# Altium PCB EmberNet Pod Layout.PcbDoc (part 2 of 2)
Units mm, origin at the board's own origin, x right, y up, seen from the top; angles counter-clockwise.
Board outline 78.51 x 78.51 mm, 4 copper layers (Top Layer, Ground, Signal Layer, Bottom Layer), stack 0.844 mm thick; 180 components, 92 nets, 487 pads, 299 vias.
Unrouted connection lines stored in the file: 74.
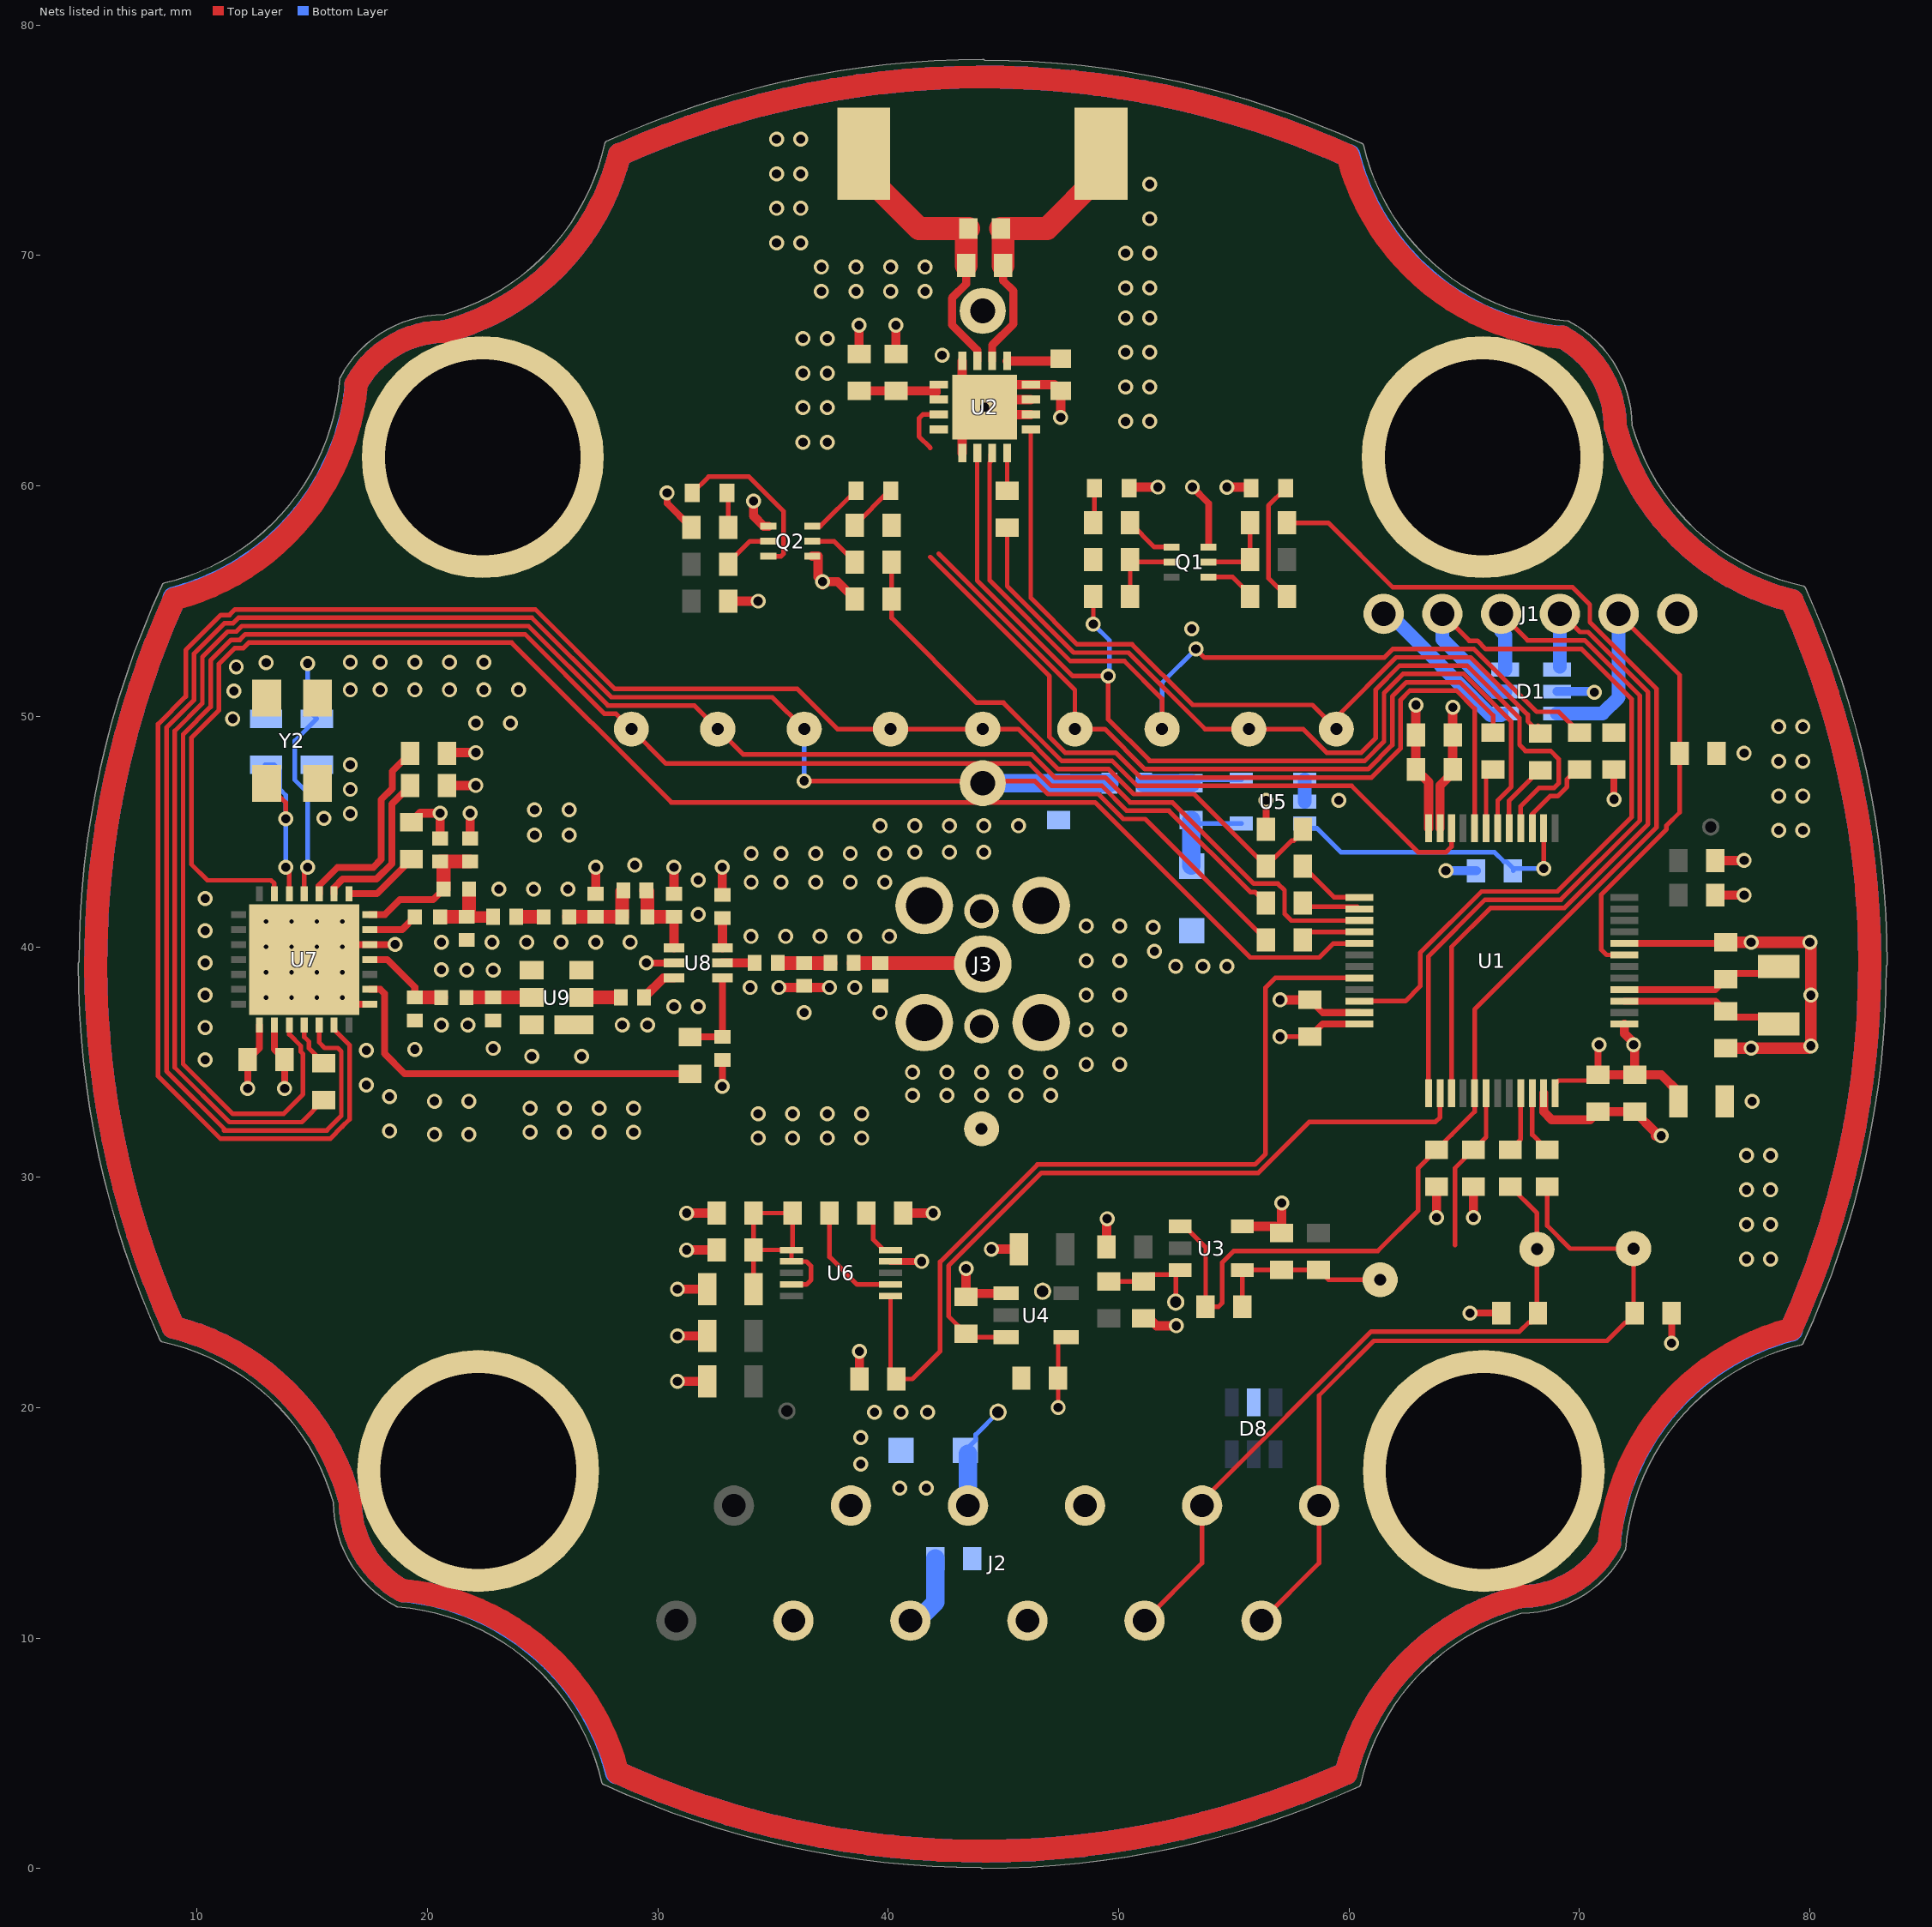
[diagram p4: the nets of this part, all layers, seen from the top]

## Via types
v1: diameter 0.65, hole 0.397, Top Layer to Bottom Layer, 281 vias
v2: diameter 0.5, hole 0.2, Top Layer to Bottom Layer, 18 vias

## Nets (pads, with @x,y where several pads share a name; then routed paths per layer and width w, separated by ;. In a path a pad name is that pad's centre, name@x,y a point inside that pad or via, vN(x,y) a via of type N, cw(c..) or ccw(c..) an arc to the next point about the centre after c; other vN are vias at no path point) (continued)
GND: B1.1 B2.1 B3.1 B4.1 BAT1.2 C1.1 C2.1 C3.1 C4.1 C5.1 C6.1 C7.1 C8.1 C9.1 C10.2 C11.1 C13.1 C14.1 C15.1 C16.1 C17.1 C18.2 C19.1 C20.1 C21.1 C22.1 C23.1 C24.1 C25.1 C26.1 C27.1 C28.1 C29.1 C30.1 C31.1 C32.1 C33.1 C34.2 C35.2 C36.1 C37.2 C41.1 C42.1 C43.1 C44.1 C45.1 C47.2 C48.1 C49.1 C50.1 C51.1 C52.1 C53.1 C54.1 C55.1 D1.2 D4.2 D5.2 D8.2 D9.2 GND1.1 GND.1 J1.6 J2.2 J2.4 J3.2 J3.3 J3.4 J3.5 J4.4 Q2.1 Q2.4 R13.1 R15.1 R30.1 R31.1 R32.1 R36.1 R37.1 U1.8 U1.23 U1.35 U1.47 U2.4 U2.9 U2.14 U2.15 U2.16 U2.17 U3.5 U4.1 U5.1 U5.2 U6.4 U7.16 U7.22 U7.26 U7.29 U8.2 U9.1 U9.3 U9.4 U9.6 U10.4 U10.7 U11.1 U11.7 U11.8 U11.11 U12.1 U12.7 U13.1 Y2.2 Y2.4 | length 621.7
  Top Layer w0.3: U7.16@13.35,36.6 13.35,35.55 C32.1@13.8,35.1 v1(13.8,33.85) ; v2(16.3,40) 16.4,40.1 U7.26@17.5,40.1 v1(18.6,40.1) ; U7.29@16.6,37.5 U7.22@17.5,37.5 ; v1(29.5,39.3) U8.2@30.7,39.3 ; v1(32.795,33.94) 32.8,33.945 C47.2@32.8,35.09 ; U6.4@40.1,26.342 v1(41.45,26.342) ; C4.1@58.3,37.695 58.85,37.145 U1.35@60.45,37.145 ; U1.8@71.95,40.145 C10.2@76.295,40.145 ; v1(148.295,137.81) C53.1@149.465,137.81 149.123,138.152 U12.1@149.123,139.025 ; U12.1@149.123,139.035 U12.1@149.123,139.025 ; v1(152.695,137.91) C52.1@152.695,139.08 152.09,139.685 U12.7@151.073,139.685 150.42,139.685 149.76,139.025 U12.1@149.123,139.025 ; C50.1@154.055,149.65 v1(155.3,149.65)
  Top Layer w0.4: v2(16.3,40) v2(15.2,40) U7.29@14.65,39.45 v2(16.3,37.8) U7.29@16.6,37.5 ; C31.1@19.3,45.4 19.7,45.8 v1(20.55,45.8) C35.2@20.55,44.7 ; C30.1@20.85,47 v1(22.1,47) ; C29.1@20.85,48.4 20.88,48.43 v1(22.1,48.43) ; C36.1@21.85,44.7 v1(21.85,45.8) ; C42.1@27.3,42.3 v1(27.3,43.45) ; C43.1@30.7,42.3 v1(30.7,43.45) ; v1(30.85,21.142) C27.1@32.15,21.142 ; v1(30.85,23.116) C28.1@32.15,23.116 ; v1(30.85,25.142) C24.1@32.15,25.142 ; v1(31.25,26.842) C26.1@32.55,26.842 ; v1(31.25,28.442) C25.1@32.55,28.442 ; v1(32.795,43.45) 32.795,42.255 C37.2@32.8,42.25 ; R30.1@33.05,55 v1(34.35,55) ; v1(34.15,59.35) 34.15,58.7 34.6,58.25 Q2.1@34.8,58.25 ; v1(35.25,38.232) 36.282,38.232 C44.1@36.35,38.3 36.418,38.232 v1(37.45,38.232) ; Q2.4@36.7,56.95 36.95,56.95 36.95,56.05 v1(37.15,55.85) ; v1@37.15,55.7 v1(37.15,55.85) ; R31.1@38.55,55.1 37.8,55.85 v1(37.15,55.85) ; C14.1@38.735,65.725 v1(38.735,66.975) ; R36.1@38.75,21.242 v1(38.75,22.442) ; C13.1@40.335,65.725 v1(40.335,66.975) ; R37.1@40.65,28.442 v1(41.95,28.442) ; U2.9@43.21,61.425 43.21,62.45 v1(44.185,63.425) ; U2.4@43.21,65.425 43.21,64.4 v1(44.185,63.425) ; v1(43.375,26.028) R32.1@43.375,24.808 43.525,24.958 U4.1@45.118,24.958 ; v1(44.475,26.878) C20.1@45.675,26.878 ; U2.14@46.185,63.1 44.51,63.1 v1(44.185,63.425) ; U2.15@46.185,63.75 U2.17@44.51,63.75 ; v1(47.485,62.975) C11.1@47.485,64.125 47.21,64.4 U2.16@46.185,64.4 45.16,64.4 U2.17@44.51,63.75 ; C15.1@49.475,26.978 49.475,28.175 v1(49.5,28.2) ; D4.2@50.45,59.9 D4.2@50.45,59.95 ; D4.2@50.45,60.05 D4.2@50.45,59.95 ; R13.1@51.075,23.878 51.253,23.7 51.5,23.7 51.65,23.55 v1(52.5,23.55) ; v1(51.7,59.95) D4.2@50.45,59.95 ; v1(54.7,59.95) D5.2@55.75,59.95 ; U3.5@55.37,27.866 56.787,27.866 R15.1@57.075,27.578 v1(57.075,28.878) ; v1(57,37.695) C4.1@58.3,37.695 ; v1@63.8,28.295 C16.1@63.8,29.595 ; U1.23@63.95,45.145 63.95,46.995 64.5,47.545 C5.1@64.5,47.695 C6.1@64.5,49.195 ; C6.1@64.5,49.195 v1(64.5,50.395) ; v1@65.4,28.295 C17.1@65.4,29.595 ; U1.47@68.45,33.645 68.45,32.845 68.8,32.495 70.45,32.495 C3.1@70.8,32.845 C2.1@72.4,32.845 73.3,31.945 73.3,31.795 v1(73.55,31.795) ; C7.1@75.9,42.245 v1(77.15,42.245) ; C8.1@75.9,43.745 v1(77.15,43.745) ; C10.2@76.295,40.145 C10.2@76.35,40.2 ; U11.1@142.9,138.55 142.9,139.41 143.71,139.41 U11.11@144.1,139.8 ; U11.8@144.1,141.05 U11.11@144.1,139.8 ; U11.7@144.7,141.05 144.7,139.8 U11.11@144.1,139.8 ; v1(147.3,137.85) C55.1@147.3,139.05 ; U10.4@152.422,149.65 C50.1@154.055,149.65 ; v1(44.185,63.425) U2.17@44.51,63.75
  Top Layer w0.5: C9.1@76.35,35.6 79.95,35.6 v1(80.05,35.7) 80.05,40.15 v1(80,40.2) C10.2@76.35,40.2
  Top Layer w1: 5.6,39.201 ccw(c44.1,39.25) 8.965,23.508 ; 5.601,39.052 cw(c44.1,39.25) 9.013,55.099 ; 8.96,23.486 cw(c6.4,13.2) 16.644,15.925 ; 9.013,55.096 ccw(c6.36,65.359) 16.916,64.399 ; 16.651,15.807 ccw(c21.05,15.9) 18.941,12.039 ; 16.889,64.409 cw(c20.75,62.3) 20.657,66.699 ; 18.951,12.066 cw(c17.991,1.51) 28.254,4.163 ; 20.775,66.706 ccw(c18.05,76.95) 28.336,74.39 ; 28.251,4.163 ccw(c44.1,39.25) 44.298,0.751 ; 28.358,74.385 cw(c44.1,39.25) 44.051,77.75 ; 43.902,77.749 cw(c44.1,39.25) 59.949,74.337 ; 44.149,0.75 ccw(c44.1,39.25) 59.842,4.115 ; 59.864,4.11 cw(c70.15,1.55) 67.425,11.794 ; 59.946,74.337 ccw(c70.209,76.99) 69.249,66.434 ; 67.543,11.801 ccw(c67.45,16.2) 71.311,14.091 ; 69.259,66.461 cw(c67.15,62.6) 71.549,62.693 ; 71.284,14.101 cw(c81.84,13.141) 79.187,23.404 ; 71.556,62.575 ccw(c81.8,65.3) 79.24,55.014 ; 79.187,23.401 ccw(c44.1,39.25) 82.599,39.448 ; 79.235,54.992 cw(c44.1,39.25) 82.6,39.299
  Bottom Layer w0.4: v1(64.2,43.3) C22.1@65.52,43.3 ; D1.2@69.025,51.08 70.62,51.08 v1(70.65,51.05)
  Bottom Layer w0.6: U5.2@58.075,46.3 U5.1@58.075,47.25
  Bottom Layer w1: 5.6,39.201 ccw(c44.1,39.25) 8.965,23.508 ; 5.601,39.052 cw(c44.1,39.25) 9.013,55.099 ; 8.96,23.486 cw(c6.4,13.2) 16.644,15.925 ; 9.003,55.137 ccw(c6.35,65.4) 16.906,64.44 ; 16.651,15.807 ccw(c21.05,15.9) 18.941,12.039 ; 16.889,64.409 cw(c20.75,62.3) 20.657,66.699 ; 18.91,12.056 cw(c17.95,1.5) 28.213,4.153 ; 20.775,66.706 ccw(c18.05,76.95) 28.336,74.39 ; 28.251,4.163 ccw(c44.1,39.25) 44.298,0.751 ; 28.358,74.385 cw(c44.1,39.25) 44.051,77.75 ; 43.902,77.749 cw(c44.1,39.25) 59.949,74.337 ; 44.149,0.75 ccw(c44.1,39.25) 59.842,4.115 ; 59.864,4.11 cw(c70.15,1.55) 67.425,11.794 ; 59.987,74.347 ccw(c70.25,77) 69.29,66.444 ; 67.543,11.801 ccw(c67.45,16.2) 71.311,14.091 ; 69.259,66.461 cw(c67.15,62.6) 71.549,62.693 ; 71.294,14.06 cw(c81.85,13.1) 79.197,23.363 ; 71.556,62.575 ccw(c81.8,65.3) 79.24,55.014 ; 79.187,23.401 ccw(c44.1,39.25) 82.599,39.448 ; 79.235,54.992 cw(c44.1,39.25) 82.6,39.299
  other v1: 77.25,26.45 78.3,26.45 77.25,27.95 78.3,27.95 63.8,28.25 65.4,28.25 77.25,29.45 78.3,29.45 77.25,30.95 78.3,30.95 34.35,31.7 35.85,31.7 37.35,31.7 38.85,31.7 20.3,31.85 21.8,31.85 24.45,31.95 25.95,31.95 27.45,31.95 28.95,31.95 18.35,32 34.35,32.75 35.85,32.75 37.35,32.75 38.85,32.75 24.45,33 25.95,33 27.45,33 28.95,33 20.3,33.3 21.8,33.3 77.5,33.295 18.35,33.5 41.05,33.55 47.05,33.55 17.35,34 41.05,34.55 47.05,34.55 48.6,34.9 50.05,34.9 10.35,35.1 24.525,35.25 26.685,35.25 17.35,35.5 19.45,35.55 22.85,35.59 77.45,35.6 48.6,36.4 50.05,36.4 10.35,36.5 20.6,36.6 21.75,36.6 28.45,36.6 29.55,36.6 36.35,37.15 39.65,37.15 30.7,37.4 31.75,37.4 10.35,37.9 48.6,37.9 50.05,37.9 80.05,37.9 34,38.232 38.55,38.232 20.6,39 21.7,38.99 22.85,38.99 10.35,39.3 48.6,39.4 50.05,39.4 20.6,40.2 22.8,40.2 24.3,40.2 25.8,40.2 27.3,40.2 28.8,40.2 77.45,40.2 34.045,40.45 35.545,40.45 37.045,40.45 38.545,40.45 40.045,40.45 10.35,40.7 48.6,40.9 50.05,40.9 31.75,41.4 10.35,42.1 23.1,42.5 24.6,42.5 26.1,42.5 34.05,42.8 35.35,42.8 36.85,42.8 38.35,42.8 39.85,42.8 31.75,42.9 29,43.55 34.05,44.05 35.35,44.05 36.85,44.05 38.35,44.05 39.85,44.05 41.15,44.1 42.65,44.1 44.15,44.1 24.65,44.85 26.15,44.85 78.65,45.05 79.7,45.05 39.65,45.25 41.15,45.25 42.65,45.25 44.15,45.25 45.65,45.25 15.5,45.58 16.65,45.78 24.65,45.95 26.15,45.95 59.55,46.35 78.65,46.55 79.7,46.55 16.65,46.83 16.65,47.9 78.65,48.05 79.7,48.05 78.65,49.55 79.7,49.55 22.1,49.7 23.6,49.7 11.55,49.9 11.6,51.1 16.65,51.15 17.95,51.15 19.45,51.15 20.95,51.15 22.45,51.15 23.95,51.15 11.7,52.15 13,52.33 16.65,52.35 17.95,52.35 19.45,52.35 20.95,52.35 22.45,52.35 53.17,53.8 36.3,61.9 37.35,61.9 50.3,62.8 51.35,62.8 36.3,63.4 37.35,63.4 50.3,64.3 51.35,64.3 36.3,64.9 37.35,64.9 42.335,65.675 50.3,65.8 51.35,65.8 36.3,66.4 37.35,66.4 50.3,67.3 51.35,67.3 37.1,68.45 38.6,68.45 40.1,68.45 41.6,68.45 50.3,68.6 51.35,68.6 37.1,69.5 38.6,69.5 40.1,69.5 41.6,69.5 50.3,70.1 51.35,70.1 35.15,70.55 36.2,70.55 51.35,71.6 35.15,72.05 36.2,72.05 51.35,73.1 35.15,73.55 36.2,73.55 35.15,75.05 36.2,75.05 147.3,142.3 138.65,142.6 146.3,149.1 148.2,149.47 150.897,149.85 143.25,149.95
  other v2: 13,37.8 14.1,37.8 15.2,37.8 13,38.9 14.1,38.9 15.2,38.9 16.3,38.9 13,40 14.1,40 13,41.1 14.1,41.1 15.2,41.1 16.3,41.1 143.338,139.8 144.862,139.8
I2C_SCL: J2.5 R4.1 R16.1 SCL1.1 | length 30.2
  Top Layer w0.2: J2.5@51.12,10.75 53.62,13.25 J2.5@53.62,15.75 53.62,15.954 60.966,23.3 67.4,23.3 67.8,23.7 67.9,23.7 68.2,24 R16.1@68.2,24.1 68.159,24.141 SCL1.1@68.159,26.878 68.159,28.436 R4.1@67,29.595
I2C_SCL_1V8: Q3.1 R42.1 SCL_1.1 U10.6
I2C_SDA: J2.6 R5.1 R17.1 SDA1.1 | length 34.8
  Top Layer w0.2: J2.6@56.2,10.75 58.7,13.25 J2.6@58.7,15.75 58.7,20.525 61.075,22.9 71.2,22.9 72,23.7 72.1,23.7 72.4,24 R17.1@72.4,24.1 72.35,24.15 SDA1.1@72.35,26.9 69.6,26.9 68.6,27.9 R5.1@68.6,29.595
  Top Layer w0.35: R5.1@68.6,29.595 R5.1@68.68,29.595
I2C_SDA_1V8: Q3.4 R44.1 SDA_1.1 U10.3 | length 0.1
  Top Layer w0.2: R44.1@148.6,147.9 R44.1@148.668,147.9
IO_DEBUG: R29.2 R31.2 U1.22 | length 31.8
  Top Layer w0.2: R29.2@40.15,56.7 R31.2@40.15,55.1 40.15,54.269 43.823,50.596 45,50.596 47.528,48.068 49.718,48.068 50.798,46.988 60.112,46.988 63,44.1 64.2,44.1 64.45,44.35 U1.22@64.45,45.145
iSENSE_ADC: C22.2 U1.14 U5.3 | length 13.1
  Top Layer w0.2: v1(68.45,43.4) U1.14@68.45,45.145
  Bottom Layer w0.2: U5.3@58.075,45.35 58.275,45.15 58.6,45.15 59.65,44.1 66.32,44.1 66.72,43.7 66.82,43.7 67.12,43.4 C22.2@67.12,43.3 67.22,43.4 v1(68.45,43.4)
LTNG_WDG: R24.2 U1.18 U2.10 | length 45.5
  Top Layer w0.2: U2.10@43.86,61.425 43.86,55.899 48.009,51.75 v1(49.55,51.75) 49.55,49.871 51.332,48.089 51.332,48.068 60.677,48.068 61.52,48.911 61.52,51.017 62.343,51.84 64.978,51.84 67.04,49.778 67.04,46.94 66.45,46.35 U1.18@66.45,45.145 ; v1(48.9,54) R24.2@48.9,55.2
  Bottom Layer w0.2: v1@48.9,53.95 48.85,53.95 v1(48.9,54) 49.6,53.3 49.6,51.8 v1(49.55,51.75)
NetC9_2: C9.2 U1.3 Y1.2 | length 7.2
  Top Layer w0.3: U1.3@71.95,37.645 75.905,37.645 C9.2@76.35,37.2 76.6,36.95 78.35,36.95 Y1.2@78.65,36.65 ; Y1.2@78.622,36.622 Y1.2@78.65,36.595
NetC10_1: C10.1 U1.4 Y1.1 | length 7.1
  Top Layer w0.3: U1.4@71.95,38.145 75.895,38.145 C10.1@76.35,38.6 76.6,38.85 78.35,38.85 Y1.1@78.65,39.15
NetC12_1: C12.1 L1.1 R10.1 U2.3 | length 12.9
  Top Layer w0.2: L1.1@38.935,73.575 L1.1@38.935,74.425 ; C12.1@43.385,71.075 C12.1@43.485,71.175
  Top Layer w0.35: R10.1@43.385,69.575 43.385,68.773 42.765,68.153 42.765,66.995 43.86,65.9 U2.3@43.86,65.425
  Top Layer w1: L1.1@38.935,73.575 41.335,71.175 C12.1@43.485,71.175 ; R10.1@43.385,69.575 C12.1@43.385,71.075
NetC12_2: C12.2 L1.2 R10.2 U2.2 | length 12.6
  Top Layer w0.2: C12.2@44.885,71.175 C12.2@44.985,71.075 ; L1.2@49.235,73.525 L1.2@49.235,74.425
  Top Layer w0.35: U2.2@44.51,65.425 44.51,66.11 45.435,67.035 45.435,68.465 44.985,68.915 R10.2@44.985,69.575
  Top Layer w1: C12.2@44.885,71.175 46.885,71.175 L1.2@49.235,73.525 ; R10.2@44.985,69.575 C12.2@44.985,71.075
NetC13_2: C13.2 C14.2 U2.5 U2.6 | length 3.5
  Top Layer w0.2: 42.085,64.125 42.185,64.025
  Top Layer w0.4: C14.2@38.735,64.125 C13.2@40.335,64.125 42.085,64.125
NetC29_2: C29.2 U7.3 | length 8.6
  Top Layer w0.3: U7.3@15.3,42.3 15.3,42.65 16.1,43.45 17.649,43.45 17.99,43.791 17.99,46.391 18.47,46.87 18.47,47.62 C29.2@19.25,48.4
NetC30_2: C30.2 U7.2 | length 6.9
  Top Layer w0.3: U7.2@15.95,42.3 15.95,42.563 16.322,42.935 17.784,42.935 18.45,43.601 18.45,46.2 C30.2@19.25,47
NetC33_2: C33.2 U7.4 Y2.3 | length 10.9
  Top Layer w0.2: U7.4@14.65,42.3 14.65,43.3 v1(14.8,43.45)
  Bottom Layer w0.2: v1(14.8,43.45) 14.8,46.68 14.24,47.24 14.24,48.94 C33.2@15.2,49.9 14.8,50.3 v1(14.8,52.3)
NetC34_1: C34.1 U7.5 Y2.1 | length 8.2
  Top Layer w0.2: Y2.1@13.02,47.09 13.85,46.26 v1(13.85,45.55) ; v1(13.85,43.45) 14,43.3 U7.5@14,42.3
  Bottom Layer w0.2: C34.1@12.95,47.9 C34.1@13,47.9 13.35,47.9 13.6,47.65 13.6,46.83 13.85,46.58 v1(13.85,45.55) v1(13.85,43.45)
NetC37_1: C37.1 U8.6 | length 1.3
  Top Layer w0.4: U8.6@32.8,39.95 C37.1@32.8,41.25
NetC38_1: C38.1 C43.2 L5.2 U8.1 | length 3.7
  Top Layer w0.4: U8.1@30.7,39.96 C43.2@30.7,41.3
  Top Layer w0.6: C38.1@29.5,42.45 29.55,42.4 L5.2@29.55,41.3 C43.2@30.7,41.3
NetC38_2: C38.2 C42.2 L4.2 L5.1 | length 3.5
  Top Layer w0.6: L4.2@26.15,41.3 C42.2@27.3,41.3 L5.1@28.45,41.3 28.45,42.4 C38.2@28.5,42.45
NetC39_1: C39.1 C41.2 L2.1 L3.2 | length 3.5
  Top Layer w0.5: C41.2@21.7,41.3 C39.1@22.85,41.3
  Top Layer w0.6: L3.2@20.55,41.3 C41.2@21.7,41.3 21.8,41.4 L2.1@21.8,42.5
NetC39_2: C39.2 L4.1 | length 1.2
  Top Layer w0.6: C39.2@23.85,41.3 L4.1@25.05,41.3
NetC40_1: C40.1 C44.2 R39.2 | length 2.3
  Top Layer w0.6: C40.1@35.2,39.3 R39.2@37.5,39.3
NetC40_2: C40.2 U8.5 | length 1.4
  Top Layer w0.4: U8.5@32.795,39.3 U8.5@32.8,39.3 C40.2@34.2,39.3
NetC45_2: C45.2 J3.1 R39.1 | length 5.6
  Top Layer w0.6: R39.1@38.5,39.3 C45.2@39.65,39.3 44.05,39.3 J3.1@44.1,39.25
NetC46_1: C46.1 U8.3 | length 1.7
  Top Layer w0.4: C46.1@29.4,37.8 30.25,38.65 U8.3@30.7,38.65
NetC46_2: C46.2 U9.2 | length 1.7
  Top Layer w0.6: U9.2@26.685,37.8 C46.2@28.4,37.8
NetC47_1: C47.1 R40.1 U8.4 | length 4
  Top Layer w0.3: R40.1@31.4,36.09 C47.1@32.8,36.09 U8.4@32.8,38.65
NetC49_2: C49.2 L6.2 U9.5 | length 2.8
  Top Layer w0.6: L6.2@21.7,37.8 C49.2@22.85,37.8 U9.5@24.525,37.8
NetD2_1: D2.1 R21.1 | length 2.2
  Top Layer w0.2: R21.1@38.55,58.3 40.05,59.8 D2.1@40.1,59.8
NetD2_2: D2.2 Q2.6 | length 2.5
  Top Layer w0.2: Q2.6@36.7,58.25 37.05,58.25 D2.2@38.6,59.8
NetD3_1: D3.1 R22.1 | length 1.5
  Top Layer w0.2: D3.1@33,59.7 33.05,59.65 R22.1@33.05,58.2
NetD3_2: D3.2 Q2.3 | length 7.4
  Top Layer w0.2: D3.2@31.5,59.7 32.2,60.4 33.956,60.4 35.45,58.906 35.45,57.05 35.35,56.95 Q2.3@34.8,56.95
NetD4_1: D4.1 R26.1 | length 1.5
  Top Layer w0.2: R26.1@48.9,58.4 48.95,58.45 D4.1@48.95,59.9
NetD5_1: D5.1 R27.1 | length 5.3
  Top Layer w0.2: D5.1@57.25,59.9 56.5,59.15 56.5,56 R27.1@57.3,55.2
NetD7_1: D7.1 R33.2 U5.4 | length 4.2
  Bottom Layer w0.2: D7.1@53.15,43.52 D7.1@53.17,43.5 ; R33.2@53.15,45.5 53.3,45.35 U5.4@55.325,45.35
  Bottom Layer w0.8: D7.1@53.15,43.52 R33.2@53.15,45.5
NetQ1_1: Q1.1 R26.2 | length 2.2
  Top Layer w0.2: R26.2@50.5,58.4 51.55,57.35 Q1.1@52.3,57.35
NetQ1_2: Q1.2 R20.1 R24.1 | length 3.4
  Top Layer w0.2: R24.1@50.5,55.2 R20.1@50.5,56.8 50.6,56.7 Q1.2@52.3,56.7
NetQ1_4: Q1.4 R27.2 | length 2.2
  Top Layer w0.2: Q1.4@53.9,56.05 54.95,56.05 55.7,55.3 R27.2@55.7,55.2
NetQ1_5: Q1.5 R23.1 R25.1 | length 3.4
  Top Layer w0.2: Q1.5@53.9,56.7 55.6,56.7 R23.1@55.7,56.8 R25.1@55.7,58.4
NetQ2_2: Q2.2 R28.1 | length 2.2
  Top Layer w0.2: R28.1@33.05,56.6 33.05,56.65 34,57.6 Q2.2@34.8,57.6
NetQ2_5: Q2.5 R29.1 | length 2.2
  Top Layer w0.2: Q2.5@36.7,57.6 37.65,57.6 R29.1@38.55,56.7
NetQ3_2: Q3.2 R41.2
NetQ3_5: Q3.5 R43.2
NetR1_2: R1.2 U1.19 | length 2.9
  Top Layer w0.2: U1.19@65.95,45.145 65.95,47.7 R1.2@66.25,47.7
NetR2_1: R2.1 U1.15 | length 3.7
  Top Layer w0.2: U1.15@67.95,45.145 67.95,45.763 68.727,46.54 69.054,46.54 69.46,46.946 69.46,47.273 69.887,47.7 R2.1@70,47.7
NetR3_1: R3.1 U1.17 | length 3.1
  Top Layer w0.2: U1.17@66.95,45.145 66.95,46.341 68.259,47.65 R3.1@68.3,47.65
NetR4_2: R4.2 U1.45 | length 2.6
  Top Layer w0.2: R4.2@67,31.195 67.45,31.645 U1.45@67.45,33.645
NetR5_2: R5.2 U1.46 | length 2.7
  Top Layer w0.2: U1.46@67.95,33.645 67.95,31.845 R5.2@68.6,31.195
NetR6_2: R6.2 U1.25 | length 3
  Top Layer w0.2: R6.2@58,43.5 59.355,42.145 U1.25@60.45,42.145
NetR7_2: R7.2 U1.26 | length 2.6
  Top Layer w0.2: R7.2@58,41.895 58.16,41.735 60.36,41.735 U1.26@60.45,41.645
NetR8_2: R8.2 U1.28 | length 2.6
  Top Layer w0.2: R8.2@58,40.295 58.35,40.645 U1.28@60.45,40.645
NetR11_2: R11.2 U2.12 | length 1.6
  Top Layer w0.2: R11.2@45.16,59.825 U2.12@45.16,61.425
NetR12_1: R12.1 R13.2 TP1.1 U3.3 | length 4.5
  Top Layer w0.2: R12.1@49.575,25.478 R13.2@51.075,25.478 51.375,25.778 U3.3@52.482,25.778 ; TP1.1@52.475,24.578 52.482,24.585 U3.3@52.482,25.778 ; U3.3@52.67,25.966 U3.3@52.482,25.778
NetR33_1: R33.1 R34.1 TP7.1 U5.5 | length 4.3
  Bottom Layer w0.2: R33.1@53.15,47.1 53.3,47.25 U5.5@55.325,47.25
  Bottom Layer w0.8: R34.1@51.1,47.1 R33.1@53.15,47.1
NetR35_2: R35.2 U6.2 | length 5
  Top Layer w0.2: R35.2@37.45,28.442 37.45,26.542 38.65,25.342 U6.2@40.1,25.342
NetR37_2: R37.2 U6.5 | length 2.4
  Top Layer w0.2: R37.2@39.05,28.242 R37.2@39.05,28.442 39.35,28.142 39.35,27.292 39.8,26.842 U6.5@40.1,26.842
NetR38_2: R38.2 U7.18 | length 2
  Top Layer w0.2: U7.18@14.65,36.6 14.65,36.089 14.86,35.879 14.86,35.59 R38.2@15.5,34.95
NetR45_1: R45.1 U12.2 U12.5 | length 2.5
  Top Layer w0.2: U12.2@149.123,139.685 149.391,139.685 150.516,140.81 150.898,140.81 U12.5@151.073,140.985
NetR46_1: R46.1 U11.2
NetU11_4: U11.4 U11.5
NRST: D1.3 J1.5 R9.1 U1.7 | length 24.8
  Top Layer w0.2: J1.5@71.7,54.45 74.35,51.8 R9.1@74.35,48.4 74.35,45.834 73.775,45.259 73.775,45.098 70.95,42.273 70.95,39.873 71.178,39.645 U1.7@71.95,39.645
  Bottom Layer w0.6: D1.3@69.025,50.13 71,50.13 71.7,50.83 J1.5@71.7,54.45
OB_I2C_SCL: D9.4 J4.2 Q3.6 S_SCL1.1 U11.10 U12.4
OB_I2C_SDA: D9.5 J4.3 Q3.3 S_SDA1.1 U11.9 U12.3
PA_BOOST: L3.1 U7.27 | length 2.2
  Top Layer w0.3: U7.27@17.5,40.75 18.9,40.75 L3.1@19.45,41.3
REF_EN: R32.2 U1.38 U4.3 | length 30.5
  Top Layer w0.2: U4.3@45.118,23.058 43.525,23.058 R32.2@43.375,23.208 42.615,23.968 42.615,26.15 42.614,26.15 46.654,30.19 56.064,30.19 58.274,32.4 63.75,32.4 63.95,32.6 U1.38@63.95,33.645 U1.38@63.95,34.05
RFI: C48.2 L6.1 U7.25 | length 4
  Top Layer w0.3: U7.25@17.5,39.45 18.25,39.45 19.45,38.25 C48.2@19.45,37.8
  Top Layer w0.6: C48.2@19.45,37.8 L6.1@20.6,37.8
RXTX: R40.2 U7.23 | length 16.9
  Top Layer w0.3: U7.23@17.5,38.15 17.95,38.15 18.135,37.965 18.135,35.36 19.005,34.49 R40.2@31.4,34.49
SENSORS_EN: R36.2 U1.32 U6.1 | length 37.5
  Top Layer w0.2: U6.1@40.1,24.842 40.1,21.492 R36.2@40.35,21.242 41.05,21.242 42.254,22.446 42.254,26.326 46.477,30.55 55.915,30.55 56.375,31.01 56.375,38.225 56.795,38.645 U1.32@60.45,38.645
SPI_AS3935_CLK: CLK_2.1 R2.2 U2.11 | length 39
  Top Layer w0.2: U2.11@44.51,61.425 44.435,61.35 44.435,61.043 44.4,61.008 44.4,55.909 47.904,52.405 50.245,52.405 51.885,50.765 CLK_2.1@51.885,49.45 ; v1(53.35,52.92) 53.72,52.55 61.526,52.55 61.896,52.92 65.425,52.92 68.145,50.2 69.1,50.2 R2.2@70,49.3
  Bottom Layer w0.2: CLK_2.1@51.885,49.45 51.885,51.455 v1(53.35,52.92)
SPI_AS3935_CS: CS_2.1 R1.1 R19.1 U2.8 | length 33.1
  Top Layer w0.2: 42.185,57.065 48.1,51.15 CS_2.1@48.1,49.45 49.4,49.45 51.142,47.708 60.826,47.708 61.88,48.762 61.88,50.868 62.492,51.48 64.811,51.48 66.25,50.041 R1.1@66.25,49.3
SPI_AS3935_MISO: MISO_2.1 R11.1 U1.16 | length 38.7
  Top Layer w0.2: R11.1@45.16,58.2 45.16,55.658 48.053,52.765 50.435,52.765 53.75,49.45 MISO_2.1@55.65,49.45 58.005,49.45 59.027,48.428 60.528,48.428 61.16,49.06 61.16,51.166 62.194,52.2 65.127,52.2 67.4,49.927 67.4,48.772 67.65,48.522 67.65,48.5 68.75,48.5 69.1,48.15 69.1,47.095 68.905,46.9 68.25,46.9 67.45,46.1 U1.16@67.45,45.145
SPI_AS3935_MOSI: MOSI_2.1 R3.2 U2.13 | length 35.3
  Top Layer w0.2: U2.13@46.185,62.45 46.185,55.142 48.202,53.125 50.584,53.125 53.214,50.495 58.405,50.495 MOSI_2.1@59.45,49.45 59.45,49.965 62.045,52.56 65.276,52.56 67.76,50.076 67.76,49.79 R3.2@68.3,49.25 68.3,49.5 R3.2@68.2,49.6
SPI_SX1272_CLK: CLK_1.1 R7.1 U7.17 | length 78.9
  Top Layer w0.2: U7.17@14,36.6 14,36.2 14.5,35.7 14.5,35.441 14.6,35.341 14.6,33.6 13.75,32.75 11.55,32.75 9.39,34.91 9.39,49.217 10.59,50.417 10.59,52.433 11.477,53.32 11.856,53.32 12.096,53.56 24.233,53.56 27.681,50.112 28.188,50.112 CLK_1.1@28.85,49.45 30.35,47.95 46.118,47.95 47.08,46.988 49.27,46.988 50.35,45.908 52.183,45.908 55.711,42.38 55.915,42.38 R7.1@56.4,41.895 R7.1@56.4,42
SPI_SX1272_CS: CS_1.1 R6.1 R18.1 U7.20 | length 87.7
  Top Layer w0.2: U7.20@15.95,36.6 15.95,36.407 16.62,35.737 16.62,32.511 16.305,32.195 15.779,31.67 11.021,31.67 8.31,34.381 8.31,49.664 9.51,50.864 9.51,52.88 11.03,54.4 11.409,54.4 11.649,54.64 24.68,54.64 28.128,51.192 36.053,51.192 37.795,49.45 CS_1.1@40.1,49.45 45.636,49.45 47.378,47.708 49.568,47.708 50.648,46.628 53.272,46.628 R6.1@56.4,43.5 57.5,44.6 57.6,44.6 58,45 R18.1@58,45.1
SPI_SX1272_MISO: MISO_1.1 R38.1 U1.27 | length 83.3
  Top Layer w0.2: R38.1@15.5,33.35 14.54,32.39 11.401,32.39 9.03,34.761 9.03,49.366 10.23,50.566 10.23,52.582 11.328,53.68 11.707,53.68 11.947,53.92 24.382,53.92 27.83,50.472 31.578,50.472 MISO_1.1@32.6,49.45 33.7,48.35 46.227,48.35 47.229,47.348 49.419,47.348 50.499,46.268 52.332,46.268 55.86,42.74 56.91,42.74 57.2,42.45 57.2,41.427 57.492,41.135 60.45,41.135 U1.27@60.45,41.145 U1.27@59.955,41.145
SPI_SX1272_MOSI: MOSI_1.1 R8.1 U7.19 | length 86.5
  Top Layer w0.2: U7.19@15.3,36.6 15.3,35.85 15.54,35.61 16.108,35.61 16.26,35.458 16.26,32.66 15.63,32.03 11.17,32.03 11.17,32.112 8.67,34.612 8.67,49.515 9.87,50.715 9.87,52.731 11.179,54.04 11.558,54.04 11.798,54.28 24.531,54.28 27.979,50.832 34.968,50.832 MOSI_1.1@36.35,49.45 ; v1(36.35,47.2) 46.359,47.2 46.931,46.628 49.121,46.628 50.201,45.548 51.147,45.548 R8.1@56.4,40.295
  Bottom Layer w0.2: v1(36.35,47.2) MOSI_1.1@36.35,49.45
SWCLK: D1.6 J1.3 U1.37 | length 33
  Top Layer w0.2: U1.37@63.45,33.645 63.45,39.591 65.902,42.043 69.193,42.043 72.62,45.47 72.62,50.907 70.227,53.3 67.75,53.3 J1.3@66.6,54.45
  Bottom Layer w0.6: J1.3@66.6,54.45 66.6,53.7 66.775,53.525 D1.6@66.775,52.03
SWDIO: D1.5 J1.2 U1.34 | length 35.6
  Top Layer w0.2: U1.34@60.45,37.645 62.445,37.645 63.09,38.29 63.09,39.74 65.753,42.403 69.044,42.403 72.26,45.619 72.26,50.758 70.098,52.92 65.934,52.92 65.574,53.28 65.22,53.28 J1.2@64.05,54.45
  Bottom Layer w0.6: J1.2@64.05,54.45 64.05,53.35 66.32,51.08 D1.5@66.775,51.08
SWO: D1.1 J1.4 U1.39 | length 30.5
  Top Layer w0.2: U1.39@64.45,33.645 64.45,40 66.133,41.683 69.342,41.683 72.98,45.321 72.98,51.056 70.376,53.66 70.022,53.66 69.232,54.45 J1.4@69.15,54.45
  Bottom Layer w0.2: D1.1@69.025,52.03 D1.1@69.15,52.155
  Bottom Layer w0.6: D1.1@69.15,52.155 J1.4@69.15,54.45
SX1272_NRST: U1.29 U7.6 | length 69.4
  Top Layer w0.2: U7.6@13.35,42.3 13.35,42.75 13.215,42.885 10.447,42.885 9.75,43.582 9.75,49.068 10.95,50.268 10.95,52.284 11.626,52.96 12.006,52.96 12.246,53.2 23.65,53.2 30.582,46.268 48.972,46.268 55.705,39.535 58.71,39.535 59.32,40.145 U1.29@60.45,40.145
TEMP_ADC: C17.2 R14.1 R15.2 RT1.1 TP2.1 U1.42 U3.4 | length 15.1
  Top Layer w0.2: R14.1@55.375,24.378 55.375,25.961 U3.4@55.37,25.966 55.382,25.978 RT1.1@58.675,25.978 59.103,25.55 60.934,25.55 TP2.1@61.35,25.966 ; 64.6,27.05 64.6,30.395 C17.2@65.4,31.195 65.95,31.745 U1.42@65.95,33.645
TEMP_WDG: C16.2 R14.2 R25.2 U1.41 U3.1 | length 62.4
  Top Layer w0.2: U3.1@52.67,27.866 52.859,27.866 53.775,26.95 R14.2@53.775,24.378 54.328,24.378 54.5,24.55 54.5,26.3 55,26.8 61.25,26.8 63,28.55 63,30.395 C16.2@63.8,31.195 64.45,31.845 65.45,32.845 U1.41@65.45,33.645 65.45,33.95 65.45,37.282 73.34,45.172 73.34,51.205 70.45,54.095 70.45,54.85 69.7,55.6 61.9,55.6 59.1,58.4 R25.2@57.3,58.4
VBAT: C1.2 C2.2 C3.2 C4.2 C5.2 C6.2 C11.2 C18.1 C19.2 C24.2 C25.2 C26.2 C31.2 C32.2 D1.4 D6.2 D7.2 J1.1 Q1.6 R9.2 R16.2 R17.2 R18.2 R19.2 R20.2 R21.2 R22.2 R35.1 S_VBAT1.1 U1.1 U1.24 U1.36 U1.48 U2.1 U4.4 U6.6 U6.7 U6.9 U7.1 U7.15 | length 60.1
  Top Layer w0.2: C24.2@34.15,25.142 C26.2@34.15,26.842 ; U6.9@35.8,25.342 36.45,25.342 36.65,25.542 36.65,26.142 36.45,26.342 U6.7@35.8,26.342 U6.6@35.8,26.842 ; v1(47.375,20) C19.2@47.375,21.278 47.375,22.978 47.455,23.058 U4.4@47.718,23.058 ; C11.2@47.385,65.425 C11.2@47.485,65.525 ; v1(57,36.095) C4.2@58.3,36.095 ; U1.48@68.95,33.645 68.95,34.045 69.1,34.195 70.55,34.195 C3.2@70.8,34.445 ; C1.2@74.3,33.295 C1.2@74.3,33.695 ; C26.2@34.15,26.842 C25.2@34.15,28.442 R35.1@35.85,28.442 35.85,26.892 U6.6@35.8,26.842 ; C26.2@34.15,26.842 U6.6@35.8,26.842
  Top Layer w0.3: v1(12.2,33.85) C32.2@12.2,35.1 12.7,35.6 U7.15@12.7,36.6 ; U7.1@16.6,42.3 17.8,42.3 C31.2@19.3,43.8 ; v1(30.4,59.7) 30.4,59.25 R22.2@31.45,58.2 ; v1(53.2,59.95) 53.9,59.25 Q1.6@53.9,57.35 ; R18.2@56.4,45.1 v1(56.4,46.35) ; C4.2@58.3,36.095 58.85,36.645 U1.36@60.45,36.645 ; v1(65.25,24.1) R16.2@66.6,24.1 ; C3.2@70.8,34.445 70.8,35.7 v1(70.85,35.75) ; v1(71.5,46.4) R19.2@71.5,47.7 ; v1(74,22.8) R17.2@74,24.1
  Top Layer w0.4: U2.1@45.16,65.425 C11.2@47.385,65.425 ; v1(62.9,50.495) C6.2@62.9,49.195 C5.2@62.9,47.695 63.45,47.145 U1.24@63.45,45.145 ; C3.2@70.8,34.445 C2.2@72.4,34.445 ; U1.1@71.95,36.645 71.95,36.245 72.4,35.795 C2.2@72.4,34.445 ; C1.2@74.3,33.695 73.55,34.445 C2.2@72.4,34.445
  Bottom Layer w0.3: D1.4@66.6,50.05 66.775,50.225 D1.4@66.775,50.13
  Bottom Layer w0.6: J1.1@61.5,54.45 61.745,54.45 66.145,50.05 D1.4@66.6,50.05
  other v1: 40.5,16.5 41.65,16.5 38.8,17.55 38.8,18.7 39.4,19.8 40.55,19.8 41.7,19.8 42.55,33.55 44.05,33.55 45.55,33.55 42.55,34.55 44.05,34.55 45.55,34.55 72.35,35.75 52.475,39.15 53.65,39.15 54.7,39.15 51.55,39.8 51.5,40.85 77.15,48.4
VBAT_PR_IN: C21.2 D6.1 J2.3 TP6.1 | length 7.8
  Bottom Layer w0.2: J2.3@40.96,10.75 J2.3@41.25,10.75 ; D6.1@43.35,18.15 43.795,18.595 43.795,18.829 TP6.1@44.766,19.8
  Bottom Layer w0.8: J2.3@41.25,10.75 42.05,11.55 C21.2@42.05,13.45 ; J2.3@43.46,15.75 D6.1@43.46,18
VBAT_S: C52.2 C53.2 C54.2 C55.2 D9.6 J4.1 R45.2 R46.2 U11.6 U12.6 U12.8 U13.3 VBAT1.1 | length 4.2
  Top Layer w0.4: U12.6@151.073,140.335 151.47,140.335 151.815,140.68 C52.2@152.695,140.68
  Top Layer w0.6: C54.2@141.8,152.1 143,152.1 U13.3@143.7,151.4 ; C52.2@152.695,140.68 C52.2@152.975,140.68
VBAT_SEC_IN: BAT1.1 C23.2 R34.2 | length 5.5
  Bottom Layer w0.8: BAT1.1@44.1,47.1 45.45,47.1 C23.2@47.4,47.1 R34.2@49.6,47.1
VR_PA: C35.1 C36.2 L2.2 U7.28 | length 6.2
  Top Layer w0.3: U7.28@17.51,41.4 18.15,41.4 18.8,42.05 20.25,42.05 L2.2@20.7,42.5
  Top Layer w0.5: C35.1@20.55,43.7 C35.1@20.7,43.55
  Top Layer w0.6: C35.1@20.55,43.7 C36.2@21.85,43.7 ; L2.2@20.7,42.5 C35.1@20.7,43.55
VREG_EN: U1.20 U2.7 | length 39.8
  Top Layer w0.2: 41.825,56.916 47,51.741 47,49.105 47.677,48.428 49.867,48.428 50.947,47.348 60.975,47.348 62.24,48.613 62.24,50.719 62.641,51.12 64.662,51.12 65.45,50.332 U1.20@65.45,45.145 ; 41.825,61.66 41.335,62.15 41.335,62.935 41.5,63.1 U2.7@42.185,63.1
pads on no net: D8.1 D8.3 D8.5 D8.6 D9.1 D9.3 U1.2 U1.5 U1.6 U1.10 U1.11 U1.12 U1.13 U1.21 U1.30 U1.31 U1.33 U1.40 U1.43 U1.44 U4.2 U6.3 U7.7 U7.8 U7.9 U7.10 U7.11 U7.12 U7.13 U7.14 U7.21 U7.24 U10.2 U11.3

## Polygon pours and split planes (outlines as drawn)
GND on Bottom Layer "Top Layer-No Net" (solid, remove dead copper, pour order 8): 28.486,74.84 29.346,75.7 32.15,75.7 33.65,77.2 34.1,77.2 35.6,77.55 51.85,77.9 54.85,76.25 57.75,76.25 59.45,74.55 59.65,74.55 60.15,74.05 60.8,74.05 60.8,71.85 64.5,68.15 66.2,68.15 67,67.35 69.45,67.35 71.75,65.05 71.75,62.4 72.9,61.25 72.9,59.65 76.25,56.3 78.3,56.3 80.45,54.15 80.45,52.6 81.35,51.7 81.35,48.145 82.5,46.995 82.5,33.2 81.5,32.2 81.5,28.65 80.25,27.4 80.25,25.2 77.942,22.892 76,22.892 72.7,19.592 72.7,18 71.35,16.65 71.35,14.1 69.4,12.15 66.8,12.15 65.65,11 64.55,11 60.35,6.8 60.35,4.9 59.15,3.7 56.95,3.7 55.75,2.5 52.75,2.5 51.85,1.6 36.2,1.6 35,2.8 33.95,2.8 33.5,3.25 31.6,3.25 30.7,4.15 29.3,4.15 27.6,5.85 27.6,7.6 23.55,11.65 22.85,11.65 22.3,12.2 18.7,12.2 17.05,13.85 17.05,15.85 16.3,16.6 16.3,18.75 11.484,23.566 9.35,23.566 8.7,24.216 8.7,25.9 7.35,27.25 7.35,29.9 6.25,31 6.25,48.2 7.5,49.45 7.5,52.7 9.05,54.25 9.05,55.25 9.65,55.85 11.2,55.85 16.4,61.05 16.4,63.55 16.6,63.75 16.6,64.575 19.125,67.1 21.8,67.1 23.303,68.603 24.83,68.603 27.25,71.023 27.25,71.8 28.486,73.036
VBAT on Bottom Layer "Bottom Layer-VBAT" (solid, pour order 2): 45.05,37.4 43.15,37.4 43.1,37.35 43.1,35.85 42.4,35.15 42.05,35.15 41.8,34.9 41.8,32.45 43.55,30.7 44.45,30.7 46.15,32.4 46.15,32.5 46.3,32.65 46.3,34.85 46.05,35.15 45.5,35.15 45.05,35.75
VBAT on Bottom Layer "Bottom Layer-VBAT 1" (solid, pour order 0): 42.451,20.888 42.5,16.2 41.95,15.65 40.15,15.65 38.9,16.9 38.545,16.9 37.95,17.495 37.95,19.35 37.95,20.888
GND on Top Layer "Top Layer-GND" (solid, remove dead copper, pour order 6): 28.336,74.39 29.196,75.25 32,75.25 33.5,76.75 33.95,76.75 35.45,77.1 51.7,77.45 54.7,75.8 57.6,75.8 59.3,74.1 59.5,74.1 60,73.6 60.65,73.6 60.65,71.4 64.35,67.7 66.05,67.7 66.85,66.9 69.3,66.9 71.6,64.6 71.6,61.95 72.75,60.8 72.75,59.2 76.1,55.85 78.15,55.85 80.3,53.7 80.3,52.15 81.2,51.25 81.2,47.695 82.35,46.545 82.35,32.75 81.35,31.75 81.35,28.2 80.1,26.95 80.1,24.75 77.792,22.442 75.85,22.442 72.55,19.142 72.55,17.55 71.2,16.2 71.2,13.65 69.25,11.7 66.65,11.7 65.5,10.55 64.4,10.55 60.2,6.35 60.2,4.45 59,3.25 56.8,3.25 55.6,2.05 52.6,2.05 51.7,1.15 36.05,1.15 34.85,2.35 33.8,2.35 33.35,2.8 31.45,2.8 30.55,3.7 29.15,3.7 27.45,5.4 27.45,7.15 23.4,11.2 22.7,11.2 22.15,11.75 18.55,11.75 16.9,13.4 16.9,15.4 16.15,16.15 16.15,18.3 11.334,23.116 9.2,23.116 8.55,23.766 8.55,25.45 7.2,26.8 7.2,29.45 6.1,30.8 5.95,47.25 7.35,49 7.35,52.25 8.9,53.8 8.9,54.8 9.5,55.4 11.05,55.4 16.25,60.6 16.25,63.1 16.45,63.3 16.45,64.125 18.975,66.65 21.65,66.65 23.153,68.153 24.68,68.153 27.1,70.573 27.1,71.35 28.336,72.586
GND on Ground "Top Layer-No Net 1" (solid, remove dead copper, pour order 10): 28.436,74.34 29.296,75.2 32.1,75.2 33.6,76.7 34.05,76.7 35.55,77.05 51.8,77.4 54.8,75.75 57.7,75.75 59.4,74.05 59.6,74.05 60.1,73.55 60.75,73.55 60.75,71.35 64.45,67.65 66.15,67.65 66.95,66.85 69.4,66.85 71.7,64.55 71.7,61.9 72.85,60.75 72.85,59.15 76.2,55.8 78.25,55.8 80.4,53.65 80.4,52.1 81.3,51.2 81.3,47.645 82.45,46.495 82.45,32.7 81.45,31.7 81.45,28.15 80.2,26.9 80.2,24.7 77.892,22.392 75.95,22.392 72.65,19.092 72.65,17.5 71.3,16.15 71.3,13.6 69.35,11.65 66.75,11.65 65.6,10.5 64.5,10.5 60.3,6.3 60.3,4.4 59.1,3.2 56.9,3.2 55.7,2 52.7,2 51.8,1.1 36.15,1.1 34.95,2.3 33.9,2.3 33.45,2.75 31.55,2.75 30.65,3.65 29.25,3.65 27.55,5.35 27.55,7.1 23.5,11.15 22.8,11.15 22.25,11.7 18.65,11.7 17,13.35 17,15.35 16.25,16.1 16.25,18.25 11.434,23.066 9.3,23.066 8.65,23.716 8.65,25.4 7.3,26.75 7.3,29.4 5.95,31.3 5.95,47.2 7.45,48.95 7.45,52.2 9,53.75 9,54.75 9.6,55.35 11.15,55.35 16.35,60.55 16.35,63.05 16.55,63.25 16.55,64.075 19.075,66.6 21.75,66.6 23.253,68.103 24.78,68.103 27.2,70.523 27.2,71.3 28.436,72.536
VBAT on Signal Layer (solid, remove dead copper, pour order 12): 28.436,74.74 29.5,75.25 32.1,75.6 33.475,76.525 34.05,77.1 35.75,77.3 51.8,77.545 54.8,76.15 57.5,75.95 59.4,74.45 59.6,74.45 60.1,73.95 60.505,73.695 60.75,71.75 64.45,68.05 66.05,67.7 66.95,67.25 69.35,66.85 71.3,64.9 71.7,62.3 72.5,60.95 72.85,59.55 76.2,56.2 78.1,55.75 80.05,54 80.4,52.5 80.925,51.575 81.3,48.045 82.15,46.95 82.45,33.1 81.45,32.1 81.45,28.55 80.2,27.3 80.2,25.1 77.892,22.792 75.95,22.792 72.65,19.492 72.65,17.9 71.3,16.55 71.3,14 69.35,12.05 66.75,12.05 65.6,10.9 64.5,10.9 60.3,6.7 60.3,4.8 59.1,3.6 56.9,3.6 55.7,2.4 52.7,2.4 51.8,1.5 36.15,1.5 34.95,2.7 33.9,2.7 33.45,3.15 31.55,3.15 30.65,4.05 29.25,4.05 27.55,5.75 27.55,7.5 23.5,11.55 22.8,11.55 22.25,12.1 18.65,12.1 17,13.75 17,15.75 16.25,16.5 16.25,18.65 11.434,23.466 9.3,23.466 8.65,24.116 8.65,25.8 7.3,27.15 7.3,29.8 6.2,30.9 6.2,48.1 7.45,49.35 7.45,52.6 9,54.15 9,55.15 9.6,55.75 11.15,55.75 16.35,60.95 16.35,63.45 16.55,63.65 16.55,64.475 19.075,67 21.75,67 23.253,68.503 24.78,68.503 27.2,70.923 27.2,71.7 28.436,72.936

## Keep-outs
Top Layer:
  rectangle: 73.85,34.55 81,35.05
  rectangle: 80.6,34.55 81,41.35
  rectangle: 73.85,40.8 81,41.35
  rectangle: 73.05,38.5 75.55,39.85
  rectangle: 73.05,34.7 75.65,37.35
  rectangle: 15.35,43.8 17.7,45
  rectangle: 17.25,43.95 17.649,47.15
  rectangle: 17.2,46.9 18.2,49.3
  rectangle: 10.4,43.35 12.1,49.35
  rectangle: 10.4,43.3 13.25,46.05
  rectangle: 16.25,49 20.65,50.395
Bottom Layer:
  rectangle: 11.6,44.6 13.25,46
  rectangle: 10.4,43.3 12.05,49.35
  rectangle: 10.4,43.3 13.25,45
  rectangle: 15.35,43.3 18.2,45
  rectangle: 17.25,43.3 18.2,49.2
  rectangle: 16.25,49 20.65,50.395
  rectangle: 16.25,49 20.65,50.395

## Other copper
Top Layer:
  region net NetC13_2: 42.585,63.525 42.585,64.575 41.785,64.575 41.785,63.525
  region: 143.7,148.2
  region: 148.67,138.36

## Silkscreen, mask and mechanical layers (free items; w line width, h text height)
Top Overlay:
  text "SDA" at 124,162.7 h1
  text "SCL" at 129.2,162.5 h1
  text "VBAT" at 150.65,155.5 h1
  text "GND" at 154.75,155.5 h1
  text "TEMP" at 54.75,60.75 h1
  text "3V3_OUT" at 29.05,60.7 h1
  text "LTNG" at 47.85,60.7 h1
  text "CS" at 39.25,51.45 h1
  text "CLK" at 27.5,51.4 h1
  text "MISO" at 30.8,51.4 h1
  text "MOSI" at 34.75,51.4 h1
  text "CS" at 47.15,51.4 h1
  text "CLK" at 50.35,51.4 h1
  text "MISO" at 53.95,51.4 h1
  text "MOSI" at 57.85,51.4 h1
  text "TEMP" at 59.45,27.45 h1
Top Solder:
  lines w1: 5.6,39.201 ccw(c44.1,39.25) 8.965,23.508 ; 5.601,39.052 cw(c44.1,39.25) 9.013,55.099 ; 8.96,23.486 cw(c6.4,13.2) 16.644,15.925 ; 9.003,55.137 ccw(c6.35,65.4) 16.906,64.44 ; 16.651,15.807 ccw(c21.05,15.9) 18.941,12.039 ; 16.889,64.409 cw(c20.75,62.3) 20.657,66.699 ; 18.91,12.056 cw(c17.95,1.5) 28.213,4.153 ; 20.775,66.706 ccw(c18.05,76.95) 28.336,74.39 ; 28.251,4.163 ccw(c44.1,39.25) 44.298,0.751 ; 28.358,74.385 cw(c44.1,39.25) 44.051,77.75 ; 43.902,77.749 cw(c44.1,39.25) 59.949,74.337 ; 44.149,0.75 ccw(c44.1,39.25) 59.842,4.115 ; 59.864,4.11 cw(c70.15,1.55) 67.425,11.794 ; 59.987,74.347 ccw(c70.25,77) 69.29,66.444 ; 67.543,11.801 ccw(c67.45,16.2) 71.311,14.091 ; 69.259,66.461 cw(c67.15,62.6) 71.549,62.693 ; 71.294,14.06 cw(c81.85,13.1) 79.197,23.363 ; 71.556,62.575 ccw(c81.8,65.3) 79.24,55.014 ; 79.187,23.401 ccw(c44.1,39.25) 82.599,39.448 ; 79.235,54.992 cw(c44.1,39.25) 82.6,39.299
Bottom Solder:
  lines w1: 5.6,39.201 ccw(c44.1,39.25) 8.965,23.508 ; 5.601,39.052 cw(c44.1,39.25) 9.013,55.099 ; 8.96,23.486 cw(c6.4,13.2) 16.644,15.925 ; 9.003,55.137 ccw(c6.35,65.4) 16.906,64.44 ; 16.651,15.807 ccw(c21.05,15.9) 18.941,12.039 ; 16.889,64.409 cw(c20.75,62.3) 20.657,66.699 ; 18.91,12.056 cw(c17.95,1.5) 28.213,4.153 ; 20.775,66.706 ccw(c18.05,76.95) 28.336,74.39 ; 28.251,4.163 ccw(c44.1,39.25) 44.298,0.751 ; 28.358,74.385 cw(c44.1,39.25) 44.051,77.75 ; 43.902,77.749 cw(c44.1,39.25) 59.949,74.337 ; 44.149,0.75 ccw(c44.1,39.25) 59.842,4.115 ; 59.864,4.11 cw(c70.15,1.55) 67.425,11.794 ; 59.987,74.347 ccw(c70.25,77) 69.29,66.444 ; 67.543,11.801 ccw(c67.45,16.2) 71.311,14.091 ; 69.259,66.461 cw(c67.15,62.6) 71.549,62.693 ; 71.294,14.06 cw(c81.85,13.1) 79.197,23.363 ; 71.556,62.575 ccw(c81.8,65.3) 79.24,55.014 ; 79.187,23.401 ccw(c44.1,39.25) 82.599,39.448 ; 79.235,54.992 cw(c44.1,39.25) 82.6,39.299
Mechanical 13:
  lines w0.254: 4.971,39.256 ccw(c44.1,39.256) 8.518,22.976 cw(c6.426,13.213) 16.041,15.906 ccw(c21.05,15.906) 18.711,11.477 cw(c17.95,1.506) 27.693,3.758 ; 5,39.256 cw(c44.1,39.256) 8.604,55.653 ; 8.602,55.663 ccw(c6.35,65.406) 16.32,64.645 cw(c20.75,62.306) 20.75,67.315 ccw(c18.057,76.93) 27.82,74.838 cw(c44.1,39.256) 44.1,78.385 ; 27.703,3.76 ccw(c44.1,39.256) 44.1,0.156 ; 44.1,0.127 ccw(c44.1,39.256) 60.38,3.675 cw(c70.143,1.583) 67.45,11.197 ccw(c67.45,16.206) 71.88,13.867 cw(c81.85,13.106) 79.598,22.849 ; 44.1,78.356 cw(c44.1,39.256) 60.497,74.752 ; 60.507,74.755 ccw(c70.25,77.006) 69.489,67.036 cw(c67.15,62.606) 72.159,62.606 ccw(c81.774,65.299) 79.682,55.536 cw(c44.1,39.256) 83.229,39.256 ; 79.596,22.86 ccw(c44.1,39.256) 83.2,39.256
Mechanical 15:
  lines w1: 23.451,147.814 ccw(c41,136.5) 23.513,125.091 ; 23.513,147.775 cw(c31,142.78) 36.826,149.64 ; 23.567,125.125 ccw(c31,130.2) 37.289,123.762 ; 36.661,149.856 ccw(c41,154) 45.322,149.838 ; 36.678,123.162 cw(c41,119) 45.339,123.144 ; 44.661,149.288 cw(c50.95,142.85) 58.383,147.925 ; 45.124,123.29 ccw(c50.95,130.15) 58.437,125.155 ; 58.487,147.959 cw(c41,136.55) 58.549,125.236